# Altium PCB Main_Board.PcbDoc (part 2 of 3)
Units mil, origin at the board's own origin, x right, y up, seen from the top; angles counter-clockwise.
Board outline 5511.81 x 7874.02 mil, 2 copper layers (Top Layer, Bottom Layer); 358 components, 312 nets, 1221 pads, 226 vias.
Unrouted connection lines stored in the file: 6.
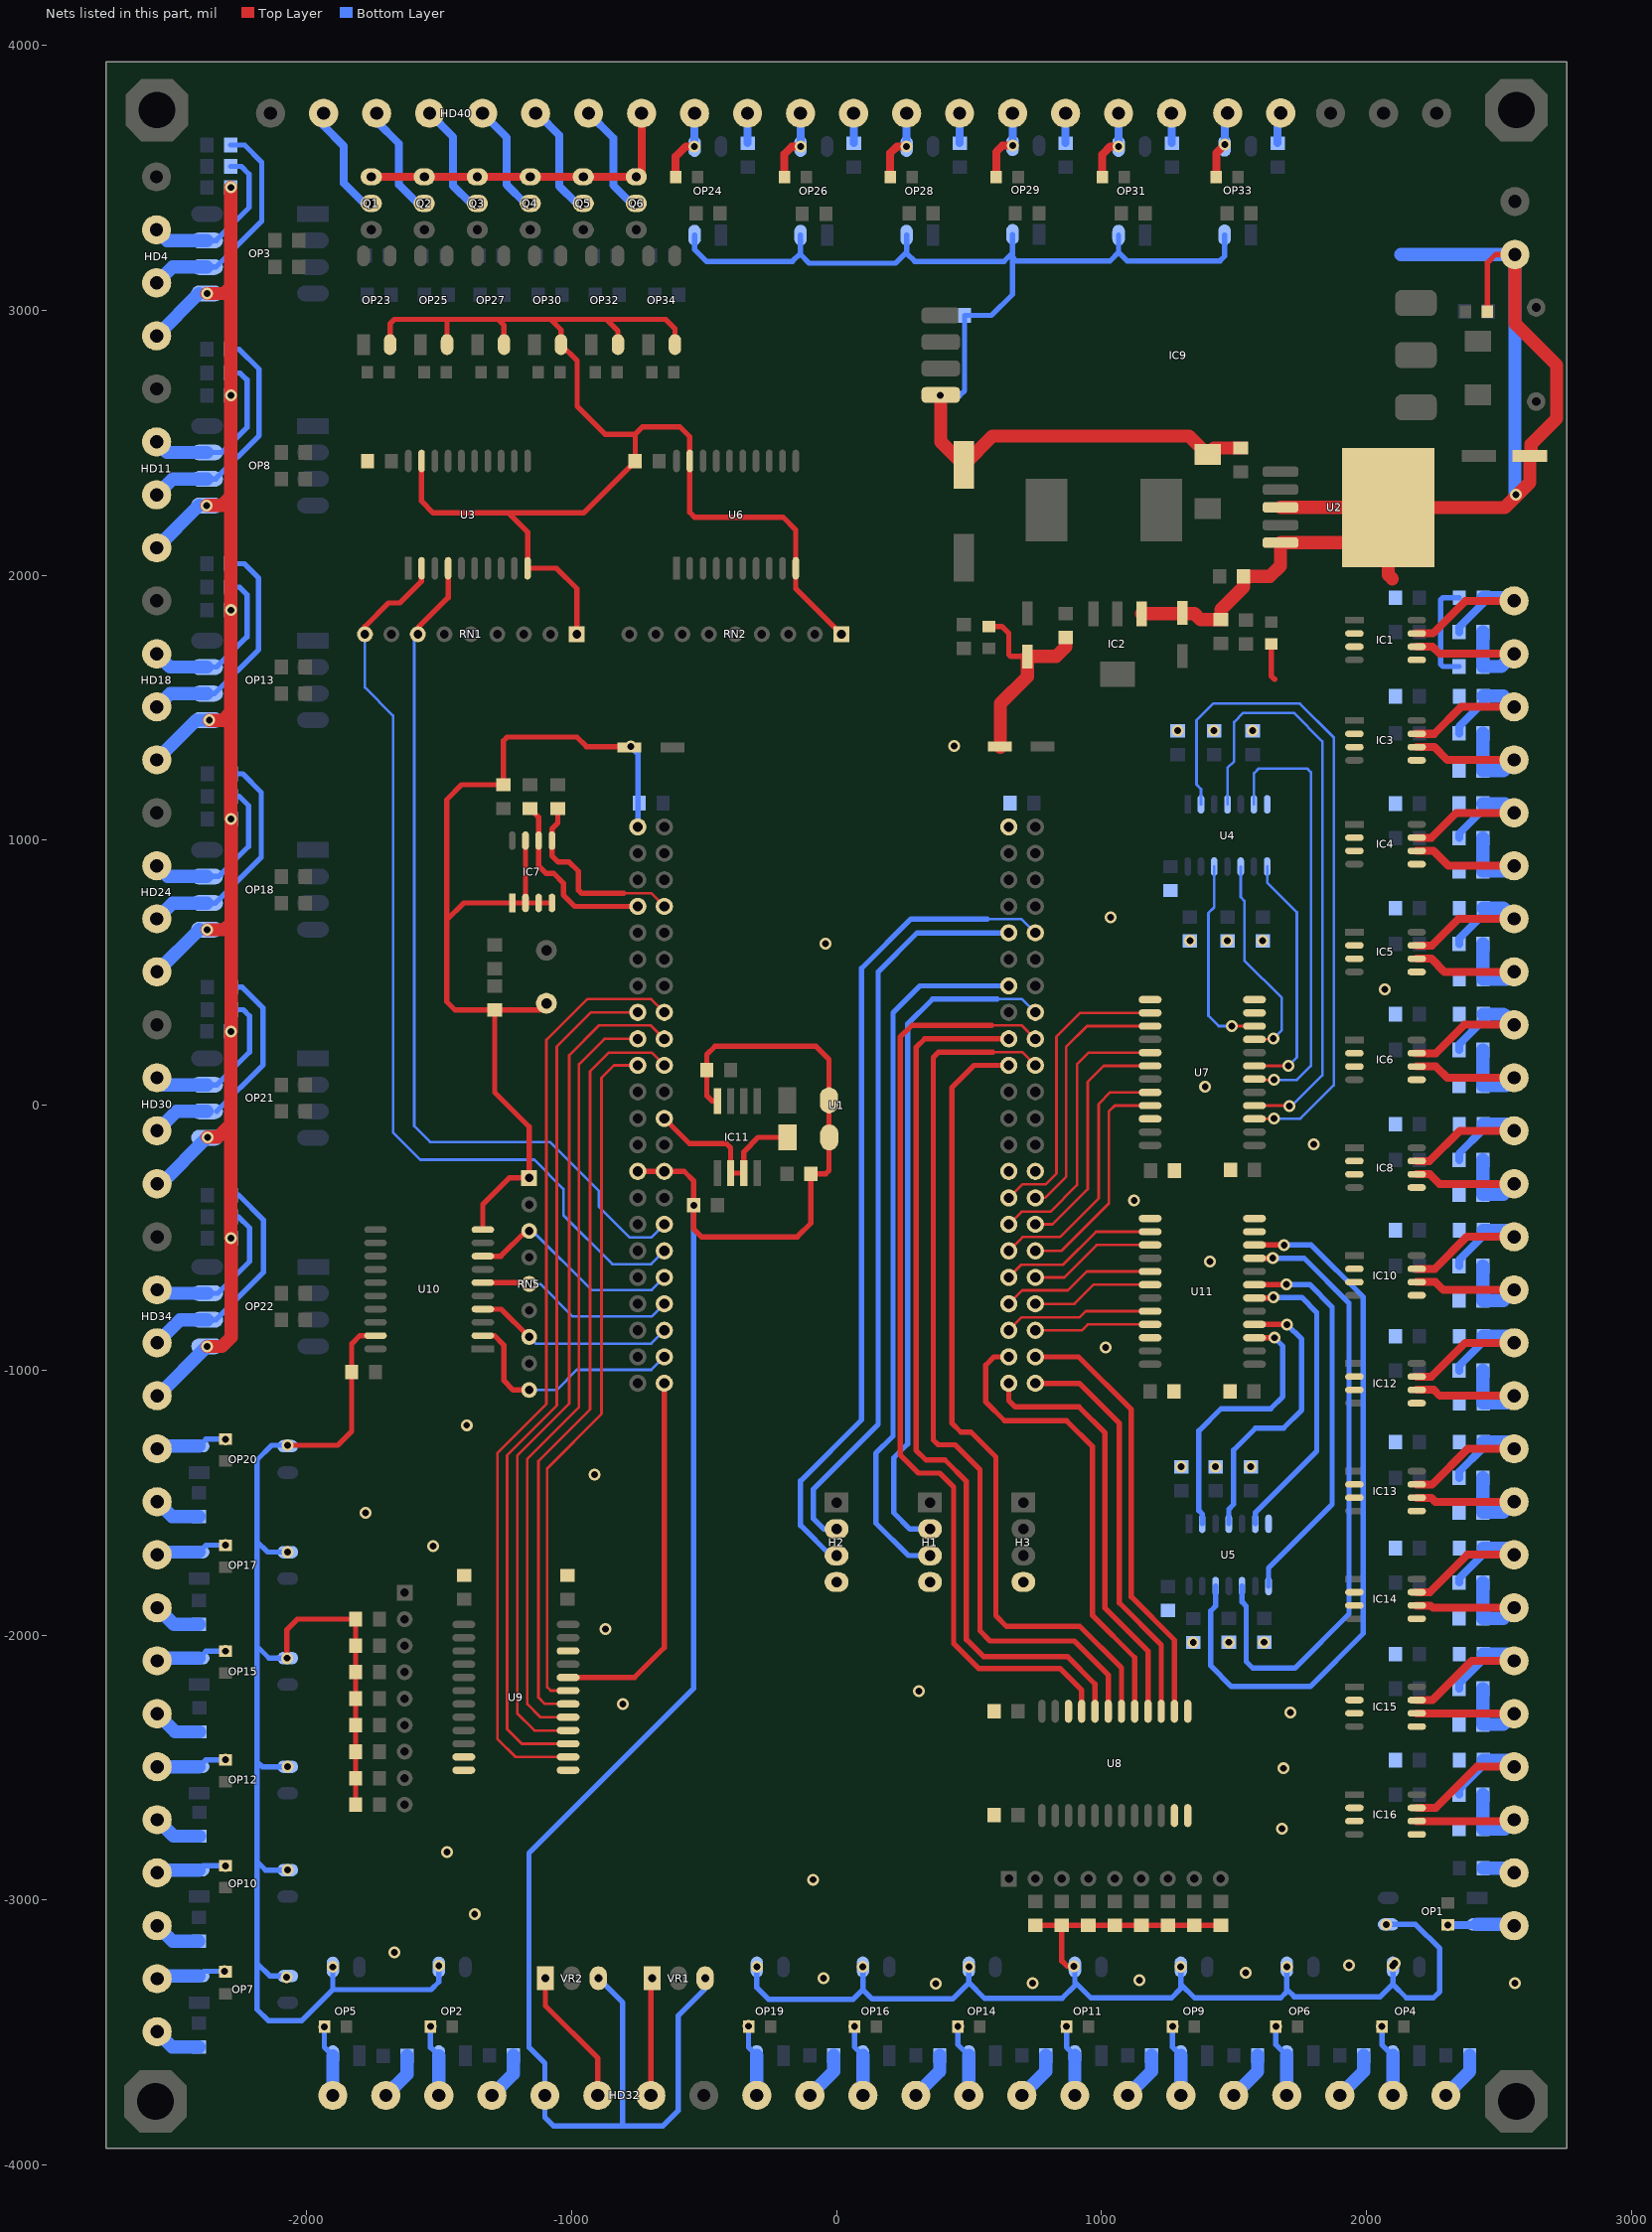
[diagram p2: the nets of this part, all layers, seen from the top]

## Via types
v1: diameter 45, hole 26, Top Layer to Bottom Layer, 226 vias

## Nets (pads, with @x,y where several pads share a name; then routed paths per layer and width w, separated by ;. In a path a pad name is that pad's centre, name@x,y a point inside that pad or via, vN(x,y) a via of type N, cw(c..) or ccw(c..) an arc to the next point about the centre after c; other vN are vias at no path point) (continued)
ADC1: D23.2 IC11.6 IC11.7 U1.33 | length 710
  Top Layer w20: U1.33@-650,-50 -555,-145 -416,-145 -400,-161 IC11.6@-400,-256.83 IC11.7@-350,-256.83 -350,-176 -296,-122 D23.2@-185,-122
ADC_0: HD32.3 VR1.1 | length 437.4
  Top Layer w20: HD32.3@-700.91,-3737.34 VR1.1@-700.91,-3299.91
ADC_1: HD32.2 VR2.1 | length 524.5
  Top Layer w20: VR2.1@-1099,-3295 -1099,-3399 -900.91,-3597.09 HD32.2@-900.91,-3737.4
BL_RX: H1.3 U1.51 | length 2686.6
  Bottom Layer w20: H1.3@352.5,-1700 271,-1700 148,-1577 148,-1314 213,-1249 213,348 315,450 U1.51@650,450
BL_TX: H1.2 U1.81 | length 2570
  Bottom Layer w10: 606,400 700,400 U1.81@750,350
  Bottom Layer w20: H1.2@352.5,-1600 277,-1600 216,-1539 216,-1331 268,-1279 268,306 362,400 606,400
DIR_0: RN1.7 U1.29 U3.4 | length 3331.7
  Top Layer w20: RN1.7@-1580,1777 -1580,1801 -1466,1915 U3.4@-1466,2026
  Bottom Layer w10: RN1.7@-1580,1777 -1594,1763 -1594,-79 -1534,-139 -1082,-139 -898,-323 -898,-382 -780,-500 -700,-500 U1.29@-650,-450
DIR_1: RN1.9 U1.28 U3.2 | length 3595.3
  Top Layer w20: RN1.9@-1780,1777 -1780,1806 -1691,1895 -1648,1895 -1566,1977 U3.2@-1566,2026
  Bottom Layer w10: RN1.9@-1780,1777 -1780,1576 -1674,1470 -1674,-103 -1571,-206 -1141,-206 -1031,-316 -1031,-415 -846,-600 -700,-600 U1.28@-650,-550
DIR_2: RN5.3 U1.27 U10.8 | length 836.6
  Top Layer w20: U10.8@-1335,-570 -1267,-570 -1172,-475 RN5.3@-1160,-475
  Bottom Layer w10: RN5.3@-1160,-475 -1147,-475 -924,-698 -698,-698 U1.27@-650,-650
DIR_3: RN5.5 U1.26 U10.6 | length 759.8
  Top Layer w10: RN5.5@-1160,-675 RN5.5@-1151,-675
  Top Layer w20: U10.6@-1335,-670 RN5.5@-1165,-670
  Bottom Layer w10: RN5.5@-1160,-675 -1118,-675 -995,-798 -698,-798 U1.26@-650,-750
DIR_4: RN5.7 U1.25 U10.4 | length 759.6
  Top Layer w20: U10.4@-1335,-770 -1265,-770 RN5.7@-1160,-875
  Bottom Layer w10: RN5.7@-1160,-875 -1135,-900 -700,-900 U1.25@-650,-850
DIR_5: RN5.9 U1.24 U10.2 | length 900.2
  Top Layer w20: U10.2@-1335,-870 -1291,-870 -1256,-905 -1256,-1039 -1220,-1075 RN5.9@-1160,-1075
  Bottom Layer w10: RN5.9@-1160,-1075 -1056,-1075 -980,-999 -699,-999 U1.24@-650,-950
EEP_SCL: IC7.6 R38.1 U1.4 | length 694
  Top Layer w20: R38.1@-1157,1119 -1124,1086 IC7.6@-1124,998 -1124,902 -1097,875 -1068,875 -1031,838 -1031,793 -988,750 U1.4@-750,750
EEP_SDA: IC7.5 R39.2 U1.41 | length 732.6
  Top Layer w10: -804,800 -700,800 U1.41@-650,750
  Top Layer w20: R39.2@-1052,1119 -1052,1064 -1074,1042 IC7.5@-1074,998 -1074,941 -1050,917 -1009,917 -974,882 -974,811 -962,799 -805,799 -804,800
ENC_A0: U1.72 U7.21 | length 863.4
  Top Layer w10: U1.72@750,-550 849,-550 1027,-372 1027,-25 1049.99,-2.01 U7.21@1183.15,-2.01
ENC_A1: U1.73 U7.18 | length 918.1
  Top Layer w10: U1.73@750,-450 815,-450 948,-317 948,88 1007.99,147.99 U7.18@1183.15,147.99
ENC_A2: U1.74 U7.15 | length 988.6
  Top Layer w10: U1.74@750,-350 787,-350 866,-271 866,219 944.99,297.99 U7.15@1183.15,297.99
ENC_A3: U1.69 U11.21 | length 442.3
  Top Layer w10: U1.69@750,-850 926,-850 948.08,-827.92 U11.21@1183.15,-827.92
ENC_A4: U1.70 U11.18 | length 463
  Top Layer w10: U1.70@750,-750 897,-750 969.08,-677.92 U11.18@1183.15,-677.92
ENC_A5: U1.71 U11.15 | length 483.7
  Top Layer w10: U1.71@750,-650 859,-650 981.08,-527.92 U11.15@1183.15,-527.92
ENC_B0: U1.61 U7.20 | length 989.4
  Top Layer w10: U1.61@650,-550 702,-498 843,-498 989,-352 989,4 1032.99,47.99 U7.20@1183.15,47.99
ENC_B1: U1.60 U7.17 | length 1068.7
  Top Layer w10: U1.60@650,-450 698,-402 807,-402 907,-302 907,154 950.99,197.99 U7.17@1183.15,197.99
ENC_B2: U1.59 U7.14 | length 1125.1
  Top Layer w10: U1.59@650,-350 701,-299 789,-299 830,-258 830,259 918.99,347.99 U7.14@1183.15,347.99
ENC_B3: U1.64 U11.20 | length 563
  Top Layer w10: U1.64@650,-850 699,-801 917,-801 940.08,-777.92 U11.20@1183.15,-777.92
ENC_B4: U1.63 U11.17 | length 583.7
  Top Layer w10: U1.63@650,-750 701,-699 873,-699 944.08,-627.92 U11.17@1183.15,-627.92
ENC_B5: U1.62 U11.14 | length 604.4
  Top Layer w10: U1.62@650,-650 697.5,-602.5 854.5,-602.5 979.08,-477.92 U11.14@1183.15,-477.92
G_DRIVE: C1.1 C22.1 C34.1 C50.1 C65.1 C84.1 HD4.4 HD11.4 HD18.4 HD24.4 HD30.4 HD34.4 OP3.5 OP8.5 OP13.5 OP18.5 OP21.5 OP22.5 | length 6404.4
  Top Layer w50: v1(-2377,2263) -2319,2263 -2285.91,2296.09 ; v1(-2375.91,3062.99) -2310.91,3062.99 -2285.91,3088 ; v1(-2375,-911) -2320,-911 -2285,-876 v1(-2285,-502) ; v1(-2375,662) -2310,662 -2285,687 ; v1(-2374,-121) -2335,-121 -2285.91,-71.91 ; v1(-2367,1452) -2317,1452 -2285.91,1483.09 ; v1@-2285.91,-501.09 -2285.91,-71.91 ; v1(-2285.91,277.99) -2285.91,-71.91 ; v1@-2285.91,1080.91 -2285.91,1483.09 ; v1(-2285.91,3462.99) -2285.91,3088 ; v1@-2285,278.9 -2285,687 ; v1(-2285,1080) -2285,687 ; -2285.91,1483.09 v1(-2285.91,1867.99) -2285.91,2296.09 ; -2285.91,2296.09 v1(-2285.91,2677.99) -2285.91,3088
  Bottom Layer w50: HD4.4@-2565.91,2902.99 OP3.5@-2405.91,3062.99 ; HD11.4@-2565.51,2102.99 OP8.5@-2405.51,2262.99 ; HD18.4@-2565.12,1302.99 -2415.12,1452.99 OP13.5@-2375.91,1452.99 ; HD24.4@-2564.73,502.99 OP18.5@-2405.11,662.61 ; HD30.4@-2564.33,-297.01 -2549.53,-297.01 OP21.5@-2375.91,-123.39 ; HD34.4@-2563.94,-1097.01 -2562.01,-1097.01 OP22.5@-2375.5,-910.5
G_RELAY: HD40.1 Q1.1 Q2.1 Q3.1 Q4.1 Q5.1 Q6.1 | length 1248.3
  Top Layer w30: Q1.1@-1755.91,3502.99 Q2.1@-1555.91,3502.99 Q3.1@-1355.91,3502.99 Q4.1@-1155.91,3502.99 Q5.1@-955.91,3502.99 Q6.1@-755.91,3502.99 -735.91,3522.99 HD40.1@-735.91,3742.99
GND: C2.1 C3.1 C4.1 C5.2 C6.2 C7.2 C8.2 C9.1 C10.2 C11.2 C12.1 C13.1 C14.1 C15.2 C16.2 C17.2 C18.2 C19.2 C20.2 C21.2 C23.1 C24.1 C25.1 C26.1 C27.2 C28.2 C29.1 C30.1 C31.1 C32.2 C33.2 C35.1 C36.1 C37.1 C38.2 C39.2 C40.2 C41.1 C42.1 C43.1 C44.1 C45.1 C46.2 C47.2 C48.2 C49.1 C51.1 C52.1 C53.2 C54.2 C55.2 C56.1 C57.1 C58.1 C59.1 C60.2 C61.1 C62.2 C63.2 C64.2 C66.2 C67.1 C68.1 C69.1 C70.1 C71.1 C72.1 C73.1 C74.2 C75.2 C76.2 C77.2 C78.2 C79.2 C80.2 C81.1 C82.1 C83.1 C85.1 C86.2 C87.2 C88.1 C89.2 C90.1 C91.2 C92.2 C93.2 C94.1 C95.2 C96.2 C97.2 C98.1 C99.2 C100.2 C101.2 D4.2 D7.2 D8.2 D9.2 D22.1 D23.1 H1.4 H2.4 H3.4 HD3.1 HD32.1 IC1.2 IC1.3 IC1.5 IC2.1 IC3.2 IC3.3 IC3.5 IC4.2 IC4.3 IC4.5 IC5.2 IC5.3 IC5.5 IC6.2 IC6.3 IC6.5 IC7.1 IC7.2 IC7.3 IC7.4 IC7.7 IC8.2 IC8.3 IC8.5 IC9.4 IC10.2 IC10.3 IC10.5 IC11.4 IC12.2 IC12.3 IC12.5 IC13.2 IC13.3 IC13.5 IC14.2 IC14.3 IC14.5 IC15.2 IC15.3 IC15.5 IC16.2 IC16.3 IC16.5 OP1.3 OP2.3 OP4.3 OP5.3 OP6.3 OP7.3 OP9.3 OP10.3 OP11.3 OP12.3 OP14.3 OP15.3 OP16.3 OP17.3 OP19.3 OP20.3 OP23.2 OP24.2 OP25.2 OP26.2 OP27.2 OP28.2 OP29.2 OP30.2 OP31.2 OP32.2 OP33.2 OP34.2 RN1.1 RN2.1 RN5.1 S1.1 U1.1 U1.14 U1.31 U1.45 U1.58 U1.75 U2.0 U2.3 U2.5 U3.10 U3.19 U4.7 U5.7 U6.10 U6.19 U7.11 U7.12 U7.13 U7.22 U8.11 U8.12 U8.13 U8.22 U9.11 U9.12 U9.13 U9.22 U10.10 U10.19 U11.11 U11.12 U11.13 U11.22 VR1.3 VR2.3 | length 38230.9
  Top Layer w20: v1(-2074,-2087) -2074,-1979 -2035,-1940 C59.1@-1815,-1940 C51.1@-1815,-2040 C43.1@-1815,-2140 C36.1@-1815,-2240 C31.1@-1815,-2340 C24.1@-1815,-2440 C13.1@-1815,-2540 C3.1@-1815,-2640 ; v1(-2072,-1284) -1883,-1284 -1830,-1231 C25.1@-1830,-1007 -1830,-901 -1799,-870 U10.19@-1740,-870 ; OP23.2@-1685,2870 -1685,2948 -1668,2965 -1473,2965 ; U3.19@-1566,2431 -1566,2279 -1522,2235 -1238,2235 ; OP25.2@-1470,2870 -1470,2962 -1473,2965 ; U10.10@-1335,-470 -1335,-375 -1235,-275 RN5.1@-1160,-275 -1160,-82 -1290,48 C33.2@-1290,359 ; OP27.2@-1255,2870 -1255,2943 -1277,2965 ; IC7.7@-1174,998 IC7.2@-1174,763 ; S1.1@-1095,384 -1120,359 C33.2@-1290,359 ; IC7.4@-1074,763 IC7.3@-1124,763 IC7.2@-1174,763 ; RN1.1@-980,1777 -980,1949 -1057,2026 U3.10@-1166,2026 -1166,2163 -1238,2235 ; OP32.2@-825,2870 -825,2922 -868,2965 ; v1(-777,1353) -944,1353 -980,1389 -1243,1389 -1257,1375 C45.1@-1257,1209 -1415,1209 -1471,1153 -1471,699 ; U1.14@-750,-250 U1.31@-650,-250 -575,-250 -539,-286 v1(-539,-378) -539,-468 -510,-497 -148,-497 -97,-446 C66.2@-97,-259 -41,-259 -28.52,-246.52 D22.1@-28.52,18 -28.52,172.52 -78,222 -459,222 -490,191 C71.1@-490,132 -490,35 -469.83,14.83 IC11.4@-450,14.83 ; OP34.2@-610,2870 -610,2930 -645,2965 -868,2965 ; RN2.1@18.09,1777 -154,1949.09 U6.10@-154,2026 -154,2171 -202,2219 -536,2219 -554,2237 U6.19@-554,2431 -554,2522 -592,2560 -732,2560 -760,2532 ; D7.2@575,1806.34 623.66,1806.34 650,1780 650,1700 657,1693 C15.2@720,1693 ; C58.1@750,-3095 C49.1@850,-3095 ; v1(896,-3250) 870,-3250 850,-3230 C49.1@850,-3095 ; C2.1@1450,-3095 C12.1@1350,-3095 C23.1@1250,-3095 C30.1@1150,-3095 C35.1@1050,-3095 C42.1@950,-3095 C49.1@850,-3095 ; D9.2@1640,1740 1640,1620 1653,1607 ; D8.2@2456.34,2995 2456.34,3179.34 2487,3210 HD3.1@2560,3210 ; -1473,2965 -1277,2965 ; -1471,699 -1471,390 -1440,359 C33.2@-1290,359 ; -1471,699 -1407,763 IC7.1@-1224,763 IC7.2@-1174,763 ; -1277,2965 -1079,2965 ; -1238,2235 -955,2235 C88.1@-760,2430 -760,2532 ; -1079,2965 -868,2965 ; -1079,2965 -1040,2926 OP30.2@-1040,2870 -979,2809 -979,2637 -874,2532 -760,2532
  Top Layer w50: IC9.4@393,2678 393,2503 C10.2@480,2416 589,2525 1329.99,2525 D4.2@1399.99,2455 1424.99,2480 C6.2@1525,2480 ; C79.2@618,1350 618,1515 720,1617 C15.2@720,1693 829,1693 865,1729 C16.2@865,1765 ; IC2.1@1150.55,1854.17 1350.83,1854.17 1373,1832 C18.2@1450,1832 1450,1870 1535,1955 C9.1@1535,1995 1635,1995 1675,2035 U2.5@1675,2122.28 U2.0@1949.28,2122.28 ; U2.3@1675,2256.14 U2.0@2080.86,2256.14 ; 2097,1986 2082,2001 U2.0@2082,2255 2521,2255 2616,2350 C5.2@2616,2450 2620.41,2454.41 2620.41,2494.41 2717.41,2591.41 2717.41,2791.59 2560,2949 HD3.1@2560,3210
  Bottom Layer w20: v1(-2074,-2087) -2141.98,-2087.01 -2187,-2041.99 ; v1(-2072,-1284) -2132,-1284 -2187,-1339 -2187,-1647 ; OP7.3@-2071.26,-3287.01 -2137.99,-3287.01 -2187,-3238 ; v1(-2071.26,-2887.01) -2154.99,-2887.01 -2187,-2855 ; v1(-2071.26,-2497.01) -2166.99,-2497.01 -2187,-2477 ; v1(-2071.26,-1687.01) -2146.99,-1687.01 -2187,-1647 ; v1(-1900.91,-3252.76) -1900.91,-3337.91 ; OP2.3@-1500.91,-3252.76 -1500.91,-3308.91 -1529.91,-3337.91 -1900.91,-3337.91 ; VR2.3@-899,-3295 -807,-3387 -807,-3844 -815,-3852 ; v1(-777,1353) -750,1326 U1.1@-750,1050 ; v1(-539,-378) -539,-2201 -1161,-2823 -1161,-3556 -1100.91,-3616.09 HD32.1@-1100.91,-3737.4 -1100.91,-3820.09 -1069,-3852 -815,-3852 ; OP24.2@-535.91,3282.99 -535.91,3228.91 -491,3184 -167,3184 -135.91,3215.09 ; VR1.3@-496,-3295 -496,-3335 -598,-3437 -598,-3795 -655,-3852 -815,-3852 ; v1(-300.91,-3252.36) -300.91,-3330.09 -257,-3374 63,-3374 99.09,-3337.91 ; OP26.2@-135.91,3282.99 -135.91,3215.09 ; v1(99.09,-3252.36) 99.09,-3337.91 ; OP28.2@264.09,3282.99 264.09,3219.09 ; v1(391,2678) 465,2678 483,2696 C60.2@483,2980 584,2980 664.09,3060.09 664.09,3199.91 ; v1(499.09,-3252.36) 499.09,-3311.91 ; OP29.2@664.09,3285.99 664.09,3216.09 ; OP11.3@899.09,-3252.36 899.09,-3309.09 ; OP31.2@1064.09,3282.99 1064.09,3217.91 ; v1(1299.09,-3252.36) 1299.09,-3317.09 ; OP33.2@1464.09,3283.99 1464.09,3203.09 1447,3186 1096,3186 1064.09,3217.91 ; v1(1699.09,-3252.36) 1699.09,-3337.09 ; OP1.3@2081.95,-3092.01 2185.01,-3092.01 2276,-3183 2276,-3345 2252,-3369 2150.19,-3369 2099.09,-3317.91 ; OP4.3@2099.09,-3252.36 2099.09,-3317.91 ; C11.2@2349.09,1655 2288,1655 2280,1663 2280,1907 2288,1915 C4.1@2350.09,1915 ; -2187,-3238 -2187,-3413 -2145,-3455 -2018,-3455 -1900.91,-3337.91 ; -2187,-3238 -2187,-2855 ; -2187,-2855 -2187,-2477 ; -2187,-2477 -2187,-2041.99 ; -2187,-2041.99 -2187,-1647 ; -135.91,3215.09 -135.91,3209.91 -103,3177 222,3177 264.09,3219.09 ; 99.09,-3337.91 134.19,-3373 438,-3373 499.09,-3311.91 ; 264.09,3219.09 264.09,3214.91 295,3184 632,3184 664.09,3216.09 ; 499.09,-3311.91 558.19,-3371 851,-3371 899.09,-3322.91 899.09,-3309.09 ; 664.09,3199.91 664.09,3216.09 ; 664.09,3199.91 679,3185 1031.19,3185 1064.09,3217.91 ; 899.09,-3309.09 959,-3369 1264,-3369 1299.09,-3333.91 1299.09,-3317.09 ; 1299.09,-3317.09 1351,-3369 1676,-3369 1699.09,-3345.91 1699.09,-3337.09 ; 1699.09,-3337.09 1727,-3365 2052,-3365 2099.09,-3317.91
  Bottom Layer w50: 2130,3210 HD3.1@2560,3210 v1@2560,2303
  other v1: 374,-3316 739,-3314 2560,-3314 1143,-3303 -50,-3295 -2076.26,-3292.01 1544,-3274 -1500.91,-3247.75 2099.09,-3247.36 1934,-3246 2106,-3238 -1669,-3197 2074,-3093 -1366,-3053 -88,-2923 -1470,-2819 1681,-2731 1686,-2503 1712,-2292 -807,-2261 310,-2212 1346,-2028 1480,-2027.01 1614,-2027 -872,-1977 -1522,-1664 -1777,-1538 -913,-1394 1301,-1365 1430,-1365 1563,-1365 -1396,-1208 1016,-915 1409,-591 1123,-359 1801,-148 1391,69 2068,437 -42,610 1475,620 1334,621 1608,621 1034,709 443,1355 1287,1413 1424,1413 1570,1414 2564,2303
H_DIR_0: HD4.3 OP3.6 R7.2 | length 859.6
  Bottom Layer w20: OP3.6@-2375.91,3162.99 -2342.01,3162.99 -2169,3336 -2169,3557.99 -2234,3622.99 R7.2@-2285.91,3622.99
  Bottom Layer w50: HD4.3@-2566.24,3102.99 -2506.24,3162.99 OP3.6@-2375.91,3162.99
H_DIR_1: HD11.3 OP8.6 R22.2 | length 868
  Bottom Layer w20: OP8.6@-2375.91,2362.99 -2343.01,2362.99 -2179,2527 -2179,2777 -2254.99,2852.99 R22.2@-2285.91,2852.99
  Bottom Layer w50: HD11.3@-2565.84,2302.99 -2505.84,2362.99 OP8.6@-2375.91,2362.99
H_DIR_2: HD18.3 OP13.6 R36.2 | length 871.2
  Bottom Layer w20: OP13.6@-2375.91,1552.99 -2347.01,1552.99 -2181,1719 -2181,1989 -2234.99,2042.99 R36.2@-2285.91,2042.99
  Bottom Layer w50: HD18.3@-2565.45,1502.99 -2515.45,1552.99 OP13.6@-2375.91,1552.99
H_DIR_3: HD24.3 OP18.6 R49.2 | length 878.2
  Bottom Layer w20: OP18.6@-2375.91,762.61 -2343.39,762.61 -2171,935 -2171,1180 -2241,1250 R49.2@-2285,1250
  Bottom Layer w50: HD24.3@-2565.06,702.99 -2505.44,762.61 OP18.6@-2375.91,762.61
H_DIR_4: HD30.3 OP21.6 R57.2 | length 835
  Bottom Layer w20: OP21.6@-2339.39,-23.39 -2164,152 -2164,366 -2243,445 R57.2@-2285,445
  Bottom Layer w50: HD30.3@-2564.66,-97.01 -2491.04,-23.39 OP21.6@-2375.91,-23.39
H_DIR_5: HD34.3 OP22.6 R65.2 | length 870.8
  Bottom Layer w20: OP22.6@-2375,-810 -2342,-810 -2162,-630 -2162,-434 -2256,-340 R65.2@-2285,-340
  Bottom Layer w50: HD34.3@-2564.27,-897.01 -2477.26,-810 OP22.6@-2375,-810
H_ENC+_A0: C11.1 HD5.1 IC1.6 R8.1 | length 646.1
  Top Layer w30: IC1.6@2189.09,1730 2249,1730 2276.01,1702.99 HD5.1@2556.59,1702.99
  Bottom Layer w50: R8.1@2439.09,1785 C11.1@2439.09,1655 2508.6,1655 HD5.1@2556.59,1702.99
H_ENC+_A1: C32.1 HD12.1 IC4.6 R25.1 | length 641.6
  Top Layer w30: IC4.6@2189.09,959.35 2252.64,959.35 2309.01,902.99 HD12.1@2556.59,902.99
  Bottom Layer w50: R25.1@2439.09,1007.99 C32.1@2439.09,882.99 2536.59,882.99 HD12.1@2556.59,902.99
H_ENC+_A2: C48.1 HD21.1 IC6.6 R40.1 | length 607.7
  Top Layer w30: IC6.6@2189.09,145.72 2262.28,145.72 2305.01,102.99 HD21.1@2556.59,102.99
  Bottom Layer w50: R40.1@2439.09,207.99 C48.1@2439.09,72.99 HD21.1@2526.59,72.99
H_ENC+_A3: C64.1 HD29.1 IC10.6 R52.1 | length 587
  Top Layer w30: IC10.6@2189.09,-667.92 2259.92,-667.92 2289.01,-697.01 HD29.1@2556.59,-697.01
  Bottom Layer w50: R52.1@2439.09,-607.01 C64.1@2439.09,-737.01 2516.59,-737.01
H_ENC+_A4: C89.1 HD33.1 IC13.6 R62.1 | length 581.4
  Top Layer w30: IC13.6@2189.09,-1481.55 2244.55,-1481.55 2260.01,-1497.01 HD33.1@2556.59,-1497.01
  Bottom Layer w50: R62.1@2439.09,-1407.01 C89.1@2439.09,-1537.01 2516.59,-1537.01
H_ENC+_A5: C97.1 HD39.1 IC15.6 R80.1 | length 637.3
  Top Layer w30: IC15.6@2189.09,-2295.19 2554.78,-2295.19 HD39.1@2556.59,-2297.01
  Bottom Layer w50: R80.1@2439.09,-2202.01 C97.1@2439.09,-2337.01 2516.59,-2337.01 HD39.1@2556.59,-2297.01
H_ENC+_B0: C21.1 HD8.1 IC3.6 R17.1 | length 661.5
  Top Layer w30: IC3.6@2189.09,1351.17 2255.83,1351.17 2304.01,1302.99 HD8.1@2556.59,1302.99
  Bottom Layer w50: R17.1@2439.09,1402.99 C21.1@2439.09,1262.99 2516.59,1262.99 HD8.1@2556.59,1302.99
H_ENC+_B1: C40.1 HD17.1 IC5.6 R31.1 | length 648.3
  Top Layer w30: IC5.6@2189.09,552.54 2244.46,552.54 2294.01,502.99 HD17.1@2556.59,502.99
  Bottom Layer w50: C40.1@2439.09,475.91 R31.1@2439.09,607.99 ; C40.1@2440,475 2528.6,475 HD17.1@2556.59,502.99
H_ENC+_B2: C55.1 HD25.1 IC8.6 R50.1 | length 589.9
  Top Layer w30: IC8.6@2189.09,-261.1 2239.1,-261.1 2275.01,-297.01 HD25.1@2556.59,-297.01
  Bottom Layer w50: R50.1@2439.09,-207.01 C55.1@2439.09,-337.01 2516.59,-337.01
H_ENC+_B3: C78.1 HD31.1 IC12.6 R58.1 | length 587.2
  Top Layer w30: IC12.6@2189.09,-1074.74 2253.74,-1074.74 2276.01,-1097.01 HD31.1@2556.59,-1097.01
  Bottom Layer w50: C78.1@2439.09,-1123.74 R58.1@2439.09,-1002.01 ; C78.1@2440.09,-1124.74 HD31.1@2528.87,-1124.74
H_ENC+_B4: C93.1 HD36.1 IC14.6 R73.1 | length 583.6
  Top Layer w30: IC14.6@2189.09,-1888.37 2241.37,-1888.37 2250.01,-1897.01 HD36.1@2556.59,-1897.01
  Bottom Layer w50: R73.1@2439.09,-1802.01 C93.1@2439.09,-1937.01 2516.59,-1937.01
H_ENC+_B5: C101.1 HD42.1 IC16.6 R90.1 | length 575
  Top Layer w30: IC16.6@2189.09,-2702.01 HD42.1@2551.59,-2702.01
  Bottom Layer w50: R90.1@2439.09,-2602.01 C101.1@2439.09,-2732.01 HD42.1@2521.59,-2732.01
H_ENC-_A0: C4.2 HD5.2 IC1.7 R8.2 | length 686.7
  Top Layer w30: IC1.7@2189.09,1780 2250,1780 2372.99,1902.99 HD5.2@2556.59,1902.99
  Bottom Layer w30: R8.2@2349.09,1785 2349.09,1803.09 C4.2@2440.09,1894.09
  Bottom Layer w50: C4.2@2440.09,1915 2544.58,1915 HD5.2@2556.59,1902.99
H_ENC-_A1: C26.2 HD12.2 IC4.7 R25.2 | length 681.7
  Top Layer w30: IC4.7@2189.09,1009.35 2245.35,1009.35 2338.99,1102.99 HD12.2@2556.59,1102.99
  Bottom Layer w30: R25.2@2349.09,1007.99 2349.09,1024.09 C26.2@2439.09,1114.09
  Bottom Layer w50: C26.2@2439.09,1137.99 2521.59,1137.99 HD12.2@2556.59,1102.99
H_ENC-_A2: C44.2 HD21.2 IC6.7 R40.2 | length 694.8
  Top Layer w30: IC6.7@2189.09,195.72 2261.72,195.72 2368.99,302.99 HD21.2@2556.59,302.99
  Bottom Layer w30: R40.2@2349.09,207.99 2349.09,229.09 C44.2@2440.09,320.09
  Bottom Layer w50: C44.2@2440.09,342.99 2516.59,342.99 HD21.2@2556.59,302.99
H_ENC-_A3: C61.2 HD29.2 IC10.7 R52.2 | length 681.8
  Top Layer w30: IC10.7@2189.09,-617.92 2257.08,-617.92 2377.99,-497.01 HD29.2@2556.59,-497.01
  Bottom Layer w30: R52.2@2349.09,-607.01 2349.09,-584.91 2440.09,-493.91 C61.2@2440.09,-472.01
  Bottom Layer w50: C61.2@2440.09,-472.01 HD29.2@2531.59,-472.01
H_ENC-_A4: C85.2 HD33.2 IC13.7 R62.2 | length 666.5
  Top Layer w30: IC13.7@2189.09,-1431.55 2247.45,-1431.55 2381.99,-1297.01 HD33.2@2556.59,-1297.01
  Bottom Layer w30: R62.2@2349.09,-1407.01 2349.09,-1383.91 C85.2@2440.09,-1292.91
  Bottom Layer w50: C85.2@2440.09,-1272.01 HD33.2@2531.59,-1272.01
H_ENC-_A5: C94.2 HD39.2 IC15.7 R80.2 | length 667.2
  Top Layer w30: IC15.7@2189.09,-2245.19 2248.81,-2245.19 2396.99,-2097.01 HD39.2@2556.59,-2097.01
  Bottom Layer w30: R80.2@2349.09,-2202.01 2349.09,-2183.91 C94.2@2440.09,-2092.91
  Bottom Layer w50: C94.2@2440.09,-2072.01 HD39.2@2531.59,-2072.01
H_ENC-_B0: C14.2 HD8.2 IC3.7 R17.2 | length 640
  Top Layer w30: IC3.7@2189.09,1401.17 2255.17,1401.17 2356.99,1502.99 HD8.2@2556.59,1502.99
  Bottom Layer w30: R17.2@2349.09,1402.99 2349.09,1428.09 C14.2@2440.09,1519.09
  Bottom Layer w50: C14.2@2440.09,1542.99 2516.59,1542.99
H_ENC-_B1: C37.2 HD17.2 IC5.7 R31.2 | length 691
  Top Layer w30: IC5.7@2189.09,602.54 2246.54,602.54 2346.99,702.99 HD17.2@2556.59,702.99
  Bottom Layer w30: R31.2@2349.09,607.99 2349.09,628.09 C37.2@2440.09,719.09
  Bottom Layer w50: C37.2@2440.09,742.99 2516.59,742.99 HD17.2@2556.59,702.99
H_ENC-_B2: C52.2 HD25.2 IC8.7 R50.2 | length 659.1
  Top Layer w30: IC8.7@2189.09,-211.1 2237.9,-211.1 2351.99,-97.01 HD25.2@2556.59,-97.01
  Bottom Layer w30: R50.2@2349.09,-207.01 2349.09,-182.91 C52.2@2440.09,-91.91
  Bottom Layer w50: C52.2@2440.09,-72.01 HD25.2@2531.59,-72.01
H_ENC-_B3: C73.2 HD31.2 IC12.7 R58.2 | length 658.7
  Top Layer w30: IC12.7@2189.09,-1024.74 2244.26,-1024.74 2371.99,-897.01 HD31.2@2556.59,-897.01
  Bottom Layer w30: R58.2@2349.09,-1002.01 2349.09,-983.91 C73.2@2440.1,-892.9
  Bottom Layer w50: C73.2@2440.1,-872.01 HD31.2@2531.59,-872.01
H_ENC-_B4: C90.2 HD36.2 IC14.7 R73.2 | length 662.4
  Top Layer w30: IC14.7@2189.09,-1838.37 2238.63,-1838.37 2379.99,-1697.01 HD36.2@2556.59,-1697.01
  Bottom Layer w30: R73.2@2349.09,-1802.01 2349.09,-1785.91 C90.2@2440.09,-1694.91
  Bottom Layer w50: C90.2@2440.09,-1672.01 HD36.2@2531.59,-1672.01
H_ENC-_B5: C98.2 HD42.2 IC16.7 R90.2 | length 671
  Top Layer w30: IC16.7@2189.09,-2652.01 2260.99,-2652.01 2415.99,-2497.01 HD42.2@2556.59,-2497.01
  Bottom Layer w30: R90.2@2349.09,-2602.01 2349.09,-2582.91 C98.2@2440.09,-2491.91
  Bottom Layer w50: C98.2@2440.09,-2472.01 HD42.2@2531.59,-2472.01
H_IN+_0: HD2.2 R1.2 | length 99.6
  Bottom Layer w50: R1.2@2440,-2880 HD2.2@2539.59,-2880
H_IN+_1: HD7.2 R9.2 | length 187.3
  Bottom Layer w50: HD7.2@2299.09,-3737.01 2389.1,-3647.01 R9.2@2389.1,-3587.01
H_IN+_2: HD9.2 R15.2 | length 187.3
  Bottom Layer w50: HD9.2@1899.09,-3737.01 1989.09,-3647.01 R15.2@1989.09,-3587.01
H_IN+_3: HD13.2 R23.2 | length 187.3
  Bottom Layer w50: HD13.2@1499.09,-3737.01 1589.1,-3647.01 R23.2@1589.1,-3587.01
H_IN+_4: HD15.2 R27.2 | length 187.3
  Bottom Layer w50: HD15.2@1099.09,-3737.01 1189.1,-3647.01 R27.2@1189.1,-3587.01
H_IN+_5: HD19.2 R33.2 | length 187.3
  Bottom Layer w50: HD19.2@699.09,-3737.01 789.09,-3647.01 R33.2@789.09,-3587.01
H_IN+_6: HD22.2 R41.2 | length 187.3
  Bottom Layer w50: HD22.2@299.09,-3737.01 389.09,-3647.01 R41.2@389.09,-3587.01
H_IN+_7: HD26.2 R47.2 | length 187.3
  Bottom Layer w50: HD26.2@-100.91,-3737.01 -10.91,-3647.01 R47.2@-10.91,-3587.01
H_IN+_8: HD1.2 R2.2 | length 183.9
  Bottom Layer w50: HD1.2@-1300.91,-3737.4 -1220,-3656.5 R2.2@-1220,-3587
H_IN+_9: HD6.2 R10.2 | length 182.5
  Bottom Layer w50: HD6.2@-1700.91,-3737.4 -1621,-3657.5 R10.2@-1621,-3588
H_IN+_10: HD10.2 R16.2 | length 181.5
  Bottom Layer w50: HD10.2@-2563.94,-3497.01 -2506.95,-3554 R16.2@-2406,-3554
H_IN+_11: HD14.2 R24.2 | length 181
  Bottom Layer w50: HD14.2@-2563.94,-3097.01 -2505.95,-3155 R24.2@-2407,-3155
H_IN+_12: HD16.2 R28.2 | length 184.6
  Bottom Layer w50: HD16.2@-2563.94,-2697.01 -2501.95,-2759 R28.2@-2405,-2759
H_IN+_13: HD20.2 R35.2 | length 187.1
  Bottom Layer w50: HD20.2@-2563.94,-2297.01 -2495.95,-2365 R35.2@-2405,-2365
H_IN+_14: HD23.2 R42.2 | length 184
  Bottom Layer w50: HD23.2@-2563.94,-1897.01 -2500.95,-1960 R42.2@-2406,-1960
H_IN+_15: HD27.2 R48.2 | length 181.1
  Bottom Layer w50: HD27.2@-2563.94,-1497.01 -2507.95,-1553 R48.2@-2406,-1553
H_IN-_0: D2.1 HD2.1 OP1.2 | length 244.5
  Top Layer w30: v1(2306,-3093.94) D2.1@2306.59,-3093.35
  Bottom Layer w30: v1(2306,-3093.94) OP1.2@2414.66,-3093.94
  Bottom Layer w50: OP1.2@2416.59,-3092.01 HD2.1@2551.59,-3092.01
H_IN-_1: D5.1 HD7.1 OP4.2 | length 277.1
  Bottom Layer w20: v1(2057.76,-3477.01) 2057.76,-3545.67 OP4.2@2099.09,-3587.01
  Bottom Layer w50: HD7.1@2099.09,-3737.01 OP4.2@2099.09,-3587.01
H_IN-_2: D10.1 HD9.1 OP6.2 | length 277.1
  Bottom Layer w20: v1(1657.76,-3477.01) 1657.76,-3545.67 OP6.2@1699.09,-3587.01
  Bottom Layer w50: HD9.1@1699.09,-3737.01 OP6.2@1699.09,-3587.01
H_IN-_3: D12.1 HD13.1 OP9.2 | length 273
  Bottom Layer w20: v1(1267.76,-3477.01) 1267.76,-3555.67 OP9.2@1299.09,-3587.01
  Bottom Layer w50: HD13.1@1299.09,-3737.01 OP9.2@1299.09,-3587.01
H_IN-_4: D14.1 HD15.1 OP11.2 | length 273
  Bottom Layer w20: v1(867.76,-3477.01) 867.76,-3555.67 OP11.2@899.09,-3587.01
  Bottom Layer w50: HD15.1@899.09,-3737.01 OP11.2@899.09,-3587.01
H_IN-_5: D16.1 HD19.1 OP14.2 | length 277.1
  Bottom Layer w20: v1(457.76,-3477.01) 457.76,-3545.67 OP14.2@499.09,-3587.01
  Bottom Layer w50: HD19.1@499.09,-3737.01 OP14.2@499.09,-3587.01
H_IN-_6: D18.1 HD22.1 OP16.2 | length 273
  Top Layer w20: v1(67.76,-3477.24) D18.1@67.76,-3477.01
  Bottom Layer w20: v1(67.76,-3477.24) 67.76,-3555.67 OP16.2@99.09,-3587.01
  Bottom Layer w50: HD22.1@99.09,-3737.01 OP16.2@99.09,-3587.01
H_IN-_7: D20.1 HD26.1 OP19.2 | length 275.5
  Top Layer w20: D20.1@-332.24,-3477.01 v1(-332.24,-3475.76)
  Bottom Layer w20: v1(-332.24,-3475.76) -332.24,-3555.67 OP19.2@-300.91,-3587.01
  Bottom Layer w50: HD26.1@-300.91,-3737.01 OP19.2@-300.91,-3587.01
H_IN-_8: D3.1 HD1.1 OP2.2 | length 273
  Bottom Layer w20: v1(-1532.24,-3477.4) -1532.24,-3556.06 OP2.2@-1500.91,-3587.4
  Bottom Layer w50: HD1.1@-1500.91,-3737.4 OP2.2@-1500.91,-3587.4
H_IN-_9: D6.1 HD6.1 OP5.2 | length 272.7
  Bottom Layer w20: v1(-1933,-3478) -1933,-3555.31 OP5.2@-1900.91,-3587.4
  Bottom Layer w50: HD6.1@-1900.91,-3737.4 OP5.2@-1900.91,-3587.4
H_IN-_10: D11.1 HD10.1 OP7.2 | length 252.4
  Bottom Layer w20: OP7.2@-2405.91,-3287.01 -2387.9,-3269 v1(-2309,-3269)
  Bottom Layer w50: HD10.1@-2553.94,-3287.01 OP7.2@-2405.91,-3287.01
H_IN-_11: D13.1 HD14.1 OP10.2 | length 258.6
  Bottom Layer w20: OP10.2@-2405.91,-2887.01 -2389.57,-2870.67 v1(-2305.91,-2870.67) v1@-2308.57,-2868
  Bottom Layer w50: HD14.1@-2553.94,-2887.01 OP10.2@-2405.91,-2887.01
H_IN-_12: D15.1 HD16.1 OP12.2 | length 268.8
  Bottom Layer w20: OP12.2@-2405.91,-2497.01 -2379.66,-2470.76 v1(-2306,-2470.76)
  Bottom Layer w50: HD16.1@-2563.94,-2497.01 OP12.2@-2405.91,-2497.01
H_IN-_13: D17.1 HD20.1 OP15.2 | length 258.9
  Bottom Layer w20: OP15.2@-2405.91,-2087.01 -2379.57,-2060.67 v1(-2305.91,-2060.67)
  Bottom Layer w50: HD20.1@-2553.94,-2087.01 OP15.2@-2405.91,-2087.01
H_IN-_14: D19.1 HD23.1 OP17.2 | length 273.1
  Bottom Layer w20: OP17.2@-2405.91,-1687.01 -2379.57,-1660.67 v1(-2305.91,-1660.67)
  Bottom Layer w50: HD23.1@-2563.94,-1697.01 -2553.94,-1687.01 OP17.2@-2405.91,-1687.01
H_IN-_15: D21.1 HD27.1 OP20.2 | length 273.1
  Bottom Layer w20: OP20.2@-2405.91,-1287.01 -2379.57,-1260.67 v1(-2305.91,-1260.67)
  Bottom Layer w50: HD27.1@-2563.94,-1297.01 -2553.94,-1287.01 OP20.2@-2405.91,-1287.01
H_OUT+_6: HD35.1 R67.2 | length 112.1
  Bottom Layer w30: R67.2@-335.91,3630.91 HD35.1@-335.91,3742.99
H_OUT+_7: HD37.1 R72.2 | length 112.1
  Bottom Layer w30: R72.2@64.09,3630.91 HD37.1@64.09,3742.99
H_OUT+_8: HD38.1 R77.2 | length 112.1
  Bottom Layer w30: R77.2@464.09,3630.91 HD38.1@464.09,3742.99
H_OUT+_9: HD41.1 R82.2 | length 112.1
  Bottom Layer w30: R82.2@864.09,3630.91 HD41.1@864.09,3742.99
H_OUT+_10: HD43.1 R87.2 | length 112.1
  Bottom Layer w30: R87.2@1264.09,3630.91 HD43.1@1264.09,3742.99
H_OUT+_11: HD44.1 R92.2 | length 112.1
  Bottom Layer w30: R92.2@1664.09,3630.91 HD44.1@1664.09,3742.99
H_OUT-_6: D25.1 HD35.2 OP24.3 | length 289.1
  Top Layer w30: D25.1@-607.24,3502.99 -607.24,3579.76 -569.36,3617.64 v1(-535.91,3617.64)
  Bottom Layer w30: v1(-535.91,3617.64) HD35.2@-535.91,3742.99
H_OUT-_7: D27.1 HD37.2 OP26.3 | length 284.4
  Top Layer w30: D27.1@-197.24,3502.99 -197.24,3588.76 -168.36,3617.64 v1(-135.91,3617.64)
  Bottom Layer w30: v1(-135.91,3617.64) HD37.2@-135.91,3742.99
H_OUT-_8: D29.1 HD38.2 OP28.3 | length 286.8
  Top Layer w30: D29.1@202.76,3502.99 202.76,3592.76 227.64,3617.64 v1(264.09,3617.64)
  Bottom Layer w30: v1(264.09,3617.64) HD38.2@264.09,3742.99
H_OUT-_9: D31.1 HD41.2 OP29.3 | length 287.9
  Top Layer w30: D31.1@602.76,3502.99 602.76,3597.76 625.64,3620.64 v1(664.09,3620.64)
  Bottom Layer w30: v1(664.09,3620.64) HD41.2@664.09,3742.99
H_OUT-_10: D33.1 HD43.2 OP31.3 | length 283.8
  Top Layer w30: D33.1@1002.76,3502.99 1002.76,3587.76 1032.64,3617.64 v1(1064.09,3617.64)
  Bottom Layer w30: v1(1064.09,3617.64) HD43.2@1064.09,3742.99
H_OUT-_11: D35.1 HD44.2 OP33.3 | length 252.5
  Top Layer w30: D35.1@1432.76,3502.99 1432.76,3592.76 v1(1465,3625)
  Bottom Layer w30: v1(1465,3625) HD44.2@1465,3742.09
H_PWM_0: HD4.2 OP3.7 R4.2 | length 624.4
  Bottom Layer w20: OP3.7@-2375.91,3262.99 -2341.01,3262.99 -2217,3387 -2217,3513 -2246.49,3542.49 R4.2@-2285.91,3542.49
  Bottom Layer w50: HD4.2@-2566.3,3302.99 -2526.3,3262.99 OP3.7@-2375.91,3262.99
H_PWM_1: HD11.2 OP8.7 R18.2 | length 648.1
  Bottom Layer w20: OP8.7@-2375.91,2462.99 -2319.01,2462.99 -2225,2557 -2225,2737 -2250.99,2762.99 R18.2@-2285.91,2762.99
  Bottom Layer w50: HD11.2@-2565.91,2502.99 -2525.91,2462.99 OP8.7@-2375.91,2462.99
H_PWM_2: HD18.2 OP13.7 R30.2 | length 640.9
  Bottom Layer w20: OP13.7@-2375.91,1652.99 -2339.01,1652.99 -2225,1767 -2225,1927 -2252.99,1954.99 R30.2@-2285.91,1954.99
  Bottom Layer w50: HD18.2@-2565.51,1702.99 -2515.51,1652.99 OP13.7@-2375.91,1652.99
H_PWM_3: HD24.2 OP18.7 R44.2 | length 644.3
  Bottom Layer w20: OP18.7@-2375.91,862.61 -2332.39,862.61 -2219,976 -2219,1130 -2254,1165 R44.2@-2285,1165
  Bottom Layer w50: HD24.2@-2565.12,902.99 -2524.74,862.61 OP18.7@-2375.91,862.61
H_PWM_4: HD30.2 OP21.7 R53.2 | length 627.7
  Bottom Layer w20: OP21.7@-2375.91,76.61 -2338.39,76.61 -2215,200 -2215,336 -2239,360 R53.2@-2285,360
  Bottom Layer w50: HD30.2@-2564.73,102.99 -2538.35,76.61 OP21.7@-2375.91,76.61
H_PWM_5: HD34.2 OP22.7 R60.2 | length 600.2
  Bottom Layer w20: OP22.7@-2375,-710 -2335,-710 -2215,-590 -2215,-463 -2256.5,-421.5 R60.2@-2285,-421.5
  Bottom Layer w50: HD34.2@-2551.34,-710 OP22.7@-2375,-710
H_RLY_1: HD40.7 Q1.2 | length 430.4
  Bottom Layer w30: HD40.7@-1935.91,3742.99 -1935.91,3695.91 -1859.5,3619.5 -1859.5,3479.5 -1782.99,3402.99 Q1.2@-1755.91,3402.99
H_RLY_2: HD40.6 Q2.2 | length 429.3
  Bottom Layer w30: HD40.6@-1735.91,3742.99 -1735.91,3712.91 -1651,3628 -1651,3473 -1580.99,3402.99 Q2.2@-1555.91,3402.99
H_RLY_3: HD40.5 Q3.2 | length 428.7
  Bottom Layer w30: HD40.5@-1535.91,3742.99 -1447,3654.09 -1447,3470 -1379.99,3402.99 Q3.2@-1355.91,3402.99
H_RLY_4: HD40.4 Q4.2 | length 425.7
  Bottom Layer w30: HD40.4@-1335.91,3742.99 -1245,3652.09 -1245,3473 -1174.99,3402.99 Q4.2@-1155.91,3402.99
H_RLY_5: HD40.3 Q5.2 | length 433.3
  Bottom Layer w30: HD40.3@-1135.91,3742.99 -1128.99,3742.99 -1046,3660 -1046,3468 -980.99,3402.99 Q5.2@-955.91,3402.99
H_RLY_6: HD40.2 Q6.2 | length 425.7
  Bottom Layer w30: HD40.2@-935.91,3742.99 -843,3650.09 -843,3471 -774.99,3402.99 Q6.2@-755.91,3402.99
I_ENC_A0: U4.2 U7.3 | length 2584.1
  Top Layer w10: U7.3@1576.85,-52.01 v1@1648.99,-52.01
  Bottom Layer w10: U4.2@1375,1135 1375,1193 1358,1210 1358,1452 1421,1515 1749,1515 1876,1388 1876,75 1750,-51 v1(1650,-51)
I_ENC_A1: U4.6 U7.6 | length 1689.6
  Top Layer w10: U7.6@1576.85,97.99 1579.84,95 v1(1651,95)
  Bottom Layer w10: U4.6@1575,1135 1575,1252 1593,1270 1776,1270 1790,1256 1790,148 1737,95 v1(1651,95)
I_ENC_A2: U4.10 U7.9 | length 814.8
  Top Layer w10: U7.9@1576.85,247.99 1655.99,247.99 1652.98,251 v1(1648,251)
  Bottom Layer w10: U4.10@1525,900 1525,785 1539,771 1539,546 1680,405 1680,283 v1(1648,251)
I_ENC_A3: U5.2 U11.3 | length 1037.3
  Top Layer w20: U11.3@1576.85,-877.92 1651.92,-877.92 v1(1652,-878)
  Bottom Layer w20: U5.2@1380,-1580 1380,-1543 1367,-1530 1367,-1229 1450,-1146 1638,-1146 1684,-1100 1684,-910 v1(1652,-878)
I_ENC_A4: U5.6 U11.6 | length 1152.7
  Top Layer w20: U11.6@1576.85,-727.92 1646.08,-727.92 v1(1648,-726)
  Bottom Layer w20: U5.6@1580,-1580 1580,-1538 1812,-1306 1812,-783 1755,-726 v1(1648,-726)
I_ENC_A5: U5.10 U11.9 | length 2375.1
  Top Layer w20: U11.9@1576.85,-577.92 1576.93,-578 v1(1646,-578)
  Bottom Layer w20: U5.10@1530,-1815 1530,-1875 1546,-1891 1546,-2100 1571,-2125 1729,-2125 1934,-1920 1934,-747 1765,-578 v1(1646,-578)
I_ENC_B0: U4.4 U7.4 | length 2277.5
  Top Layer w10: U7.4@1576.85,-2.01 1708.99,-2.01 v1(1708.99,-2.99)
  Bottom Layer w10: U4.4@1475,1135 1475,1273 1500,1298 1500,1446 1534,1480 1725,1480 1833,1372 1833,112 1719,-2 v1@1708.99,-2
I_ENC_B1: U4.8 U7.7 | length 939.8
  Top Layer w10: U7.7@1576.85,147.99 v1(1705.01,147.99)
  Bottom Layer w10: U4.8@1625,900 1625,840 1737,728 1737,179.98 v1(1705.01,147.99)
I_ENC_B2: U4.12 U7.10 | length 762.1
  Top Layer w10: v1(1492,298) U7.10@1576.84,298
  Bottom Layer w10: U4.12@1425,900 1425,747 1403,725 1403,582 1403,337 1442,298 v1(1492,298)
I_ENC_B3: U5.4 U11.4 | length 1074
  Top Layer w20: U11.4@1576.85,-827.92 1699.92,-827.92 v1(1700,-828)
  Bottom Layer w20: U5.4@1480,-1580 1480,-1525 1498,-1507 1498,-1302 1581,-1219 1687,-1219 1755,-1151 1755,-883 v1(1700,-828)
I_ENC_B4: U5.8 U11.7 | length 1481.1
  Top Layer w20: U11.7@1576.85,-677.92 1696.08,-677.92 v1(1697,-677)
  Bottom Layer w20: U5.8@1630,-1815 1630,-1747 1870,-1507 1870,-762 1785,-677 v1(1697,-677)
I_ENC_B5: U5.12 U11.10 | length 2760
  Top Layer w20: U11.10@1576.85,-527.92 1688.92,-527.92 v1(1689,-528)
  Bottom Layer w20: U5.12@1430,-1815 1430,-1891 1412,-1909 1412,-2116 1490,-2194 1787,-2194 1987,-1994 1987,-724 1791,-528 v1(1689,-528)
IMU_RX: H2.3 U1.84 | length 3135.5
  Bottom Layer w10: 569.5,702.5 697.5,702.5 U1.84@750,650
  Bottom Layer w20: H2.3@0,-1700 -22,-1700 -136,-1586 -136,-1418 94,-1188 94,516 280.5,702.5 569.5,702.5
IMU_TX: H2.2 U1.49 | length 2822.9
  Bottom Layer w20: H2.2@0,-1600 -48,-1600 -88,-1560 -88,-1450 157,-1205 157,503 304,650 U1.49@650,650
IN_0: U1.68 U8.14 | length 1650.4
  Top Layer w20: U1.68@750,-950 913,-950 1112,-1149 1112,-1856 1275,-2019 U8.14@1275,-2287.48
IN_1: U1.67 U8.15 | length 1531.5
  Top Layer w20: U1.67@750,-1050 916,-1050 1067,-1201 1067,-1879 1225,-2037 U8.15@1225,-2287.48
IN_2: U1.66 U8.16 | length 1596.1
  Top Layer w20: U1.66@650,-1050 650,-1115 674,-1139 915,-1139 1013,-1237 1013,-1898 1175,-2060 U8.16@1175,-2287.48
IN_3: U1.65 U8.17 | length 1776.2
  Top Layer w20: U1.65@650,-950 594,-950 563,-981 563,-1120 634,-1191 868,-1191 966,-1289 966,-1926 1125,-2085 U8.17@1125,-2287.48
IN_4: U1.54 U8.18 | length 3052.9
  Top Layer w20: U1.54@650,150 519,150 435,66 435,-1200 469,-1234 507,-1234 601,-1328 601,-1927 641,-1967 918,-1967 1075,-2124 U8.18@1075,-2287.48
IN_5: U1.79 U8.19 | length 3378
  Top Layer w10: 589,200 700,200 U1.79@750,150
  Top Layer w20: 589,200 385,200 365,180 365,-1264 383,-1282 447,-1282 541,-1376 541,-1984 579,-2022 897,-2022 1026,-2151 U8.19@1026,-2286.48
IN_6: U1.53 U8.20 | length 3376.2
  Top Layer w20: U1.53@650,250 332,250 300,218 300,-1302 337,-1339 409,-1339 490,-1420 490,-2017 554,-2081 871,-2081 975,-2185 U8.20@975,-2287.48
IN_7: U1.80 U8.21 | length 3604.3
  Top Layer w10: 586,301 699,301 U1.80@750,250
  Top Layer w20: 586,301 284,301 240,257 240,-1320 309,-1389 389,-1389 442,-1442 442,-2032 536,-2126 843,-2126 925,-2208 U8.21@925,-2287.48
IN_8: U1.37 U9.14 | length 3539.1
  Top Layer w10: U9.14@-1013.15,-2460 -1212,-2460 -1280,-2392 -1280,-1313 -1095,-1128 -1095,246 -941,400 -700,400 U1.37@-650,350
IN_9: U1.8 U9.15 | length 3265.5
  Top Layer w10: U9.15@-1013.15,-2410 -1188,-2410 -1243,-2355 -1243,-1321 -1056,-1134 -1056,221 -927,350 U1.8@-750,350
IN_10: U1.36 U9.16 | length 3209.9
  Top Layer w10: U9.16@-1013.15,-2360 -1140,-2360 -1205,-2295 -1205,-1323 -1009,-1127 -1009,188 -896,301 -701,301 U1.36@-650,250
IN_11: U1.9 U9.17 | length 2931.7
  Top Layer w10: U9.17@-1013.15,-2310 -1118,-2310 -1167,-2261 -1167,-1335 -972,-1140 -972,154 -876,250 U1.9@-750,250
IN_12: U1.35 U9.18 | length 2894.3
  Top Layer w10: U9.18@-1013.15,-2260 -1100,-2260 -1125,-2235 -1125,-1343 -930,-1148 -930,127 -859,198 -698,198 U1.35@-650,150
IN_13: U1.10 U9.19 | length 2625.6
  Top Layer w10: U9.19@-1013.15,-2210 -1079,-2210 -1092,-2197 -1092,-1371 -887,-1166 -887,103 -840,150 U1.10@-750,150
IN_14: U1.23 U9.20 | length 1407
  Top Layer w20: U9.20@-1013.15,-2160 -763,-2160 -650,-2047 U1.23@-650,-1050